# Altium PCB 按键采集CAN.PcbDoc
Units mil, origin at the board's own origin, x right, y up, seen from the top; angles counter-clockwise.
Board outline 1377.95 x 944.88 mil, 2 copper layers (Top Layer, Bottom Layer); 30 components, 38 nets, 161 pads, 48 vias.
Unrouted connection lines stored in the file: 36.
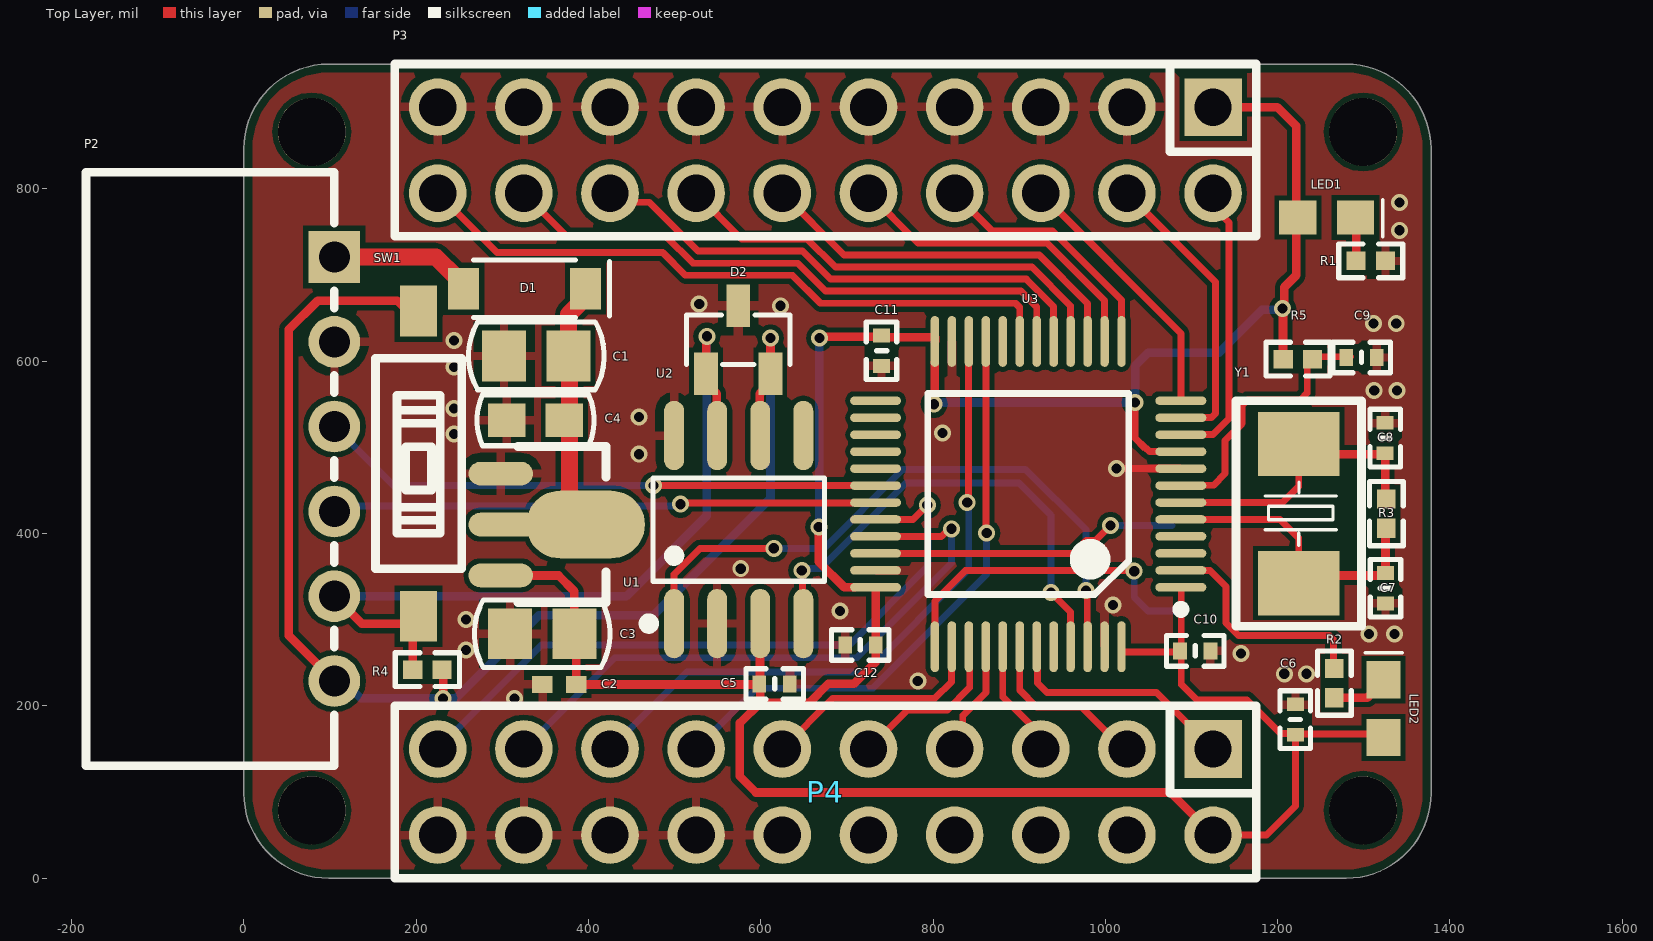
[diagram p0: Top Layer view]
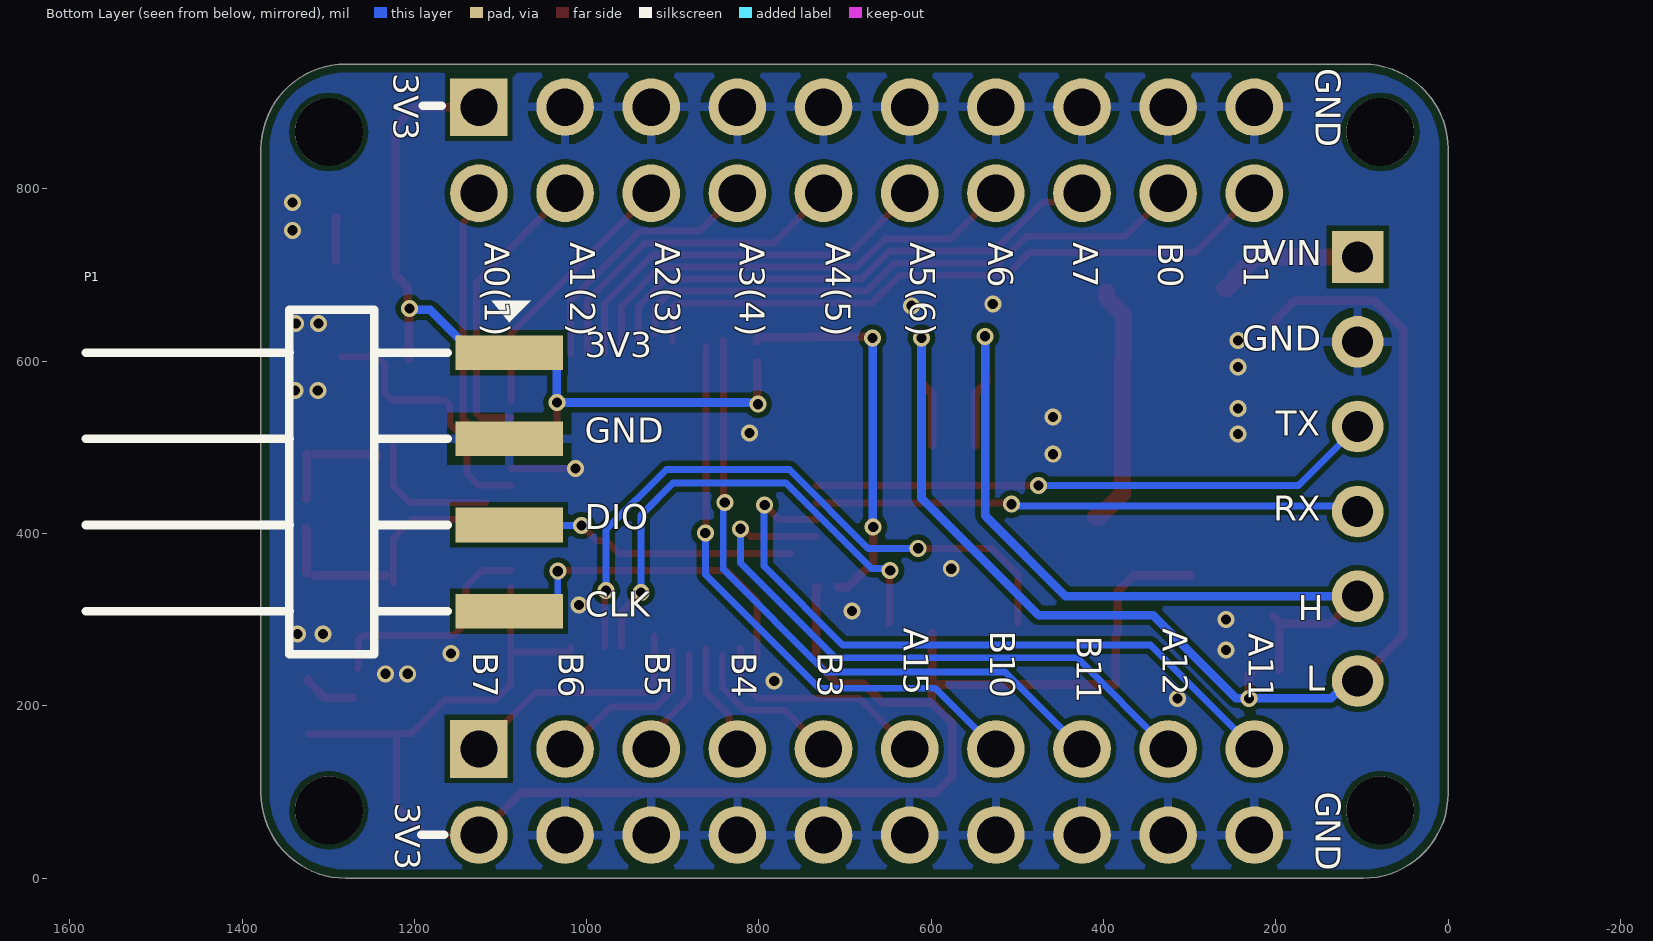
[diagram p1: Bottom Layer view, seen from below]
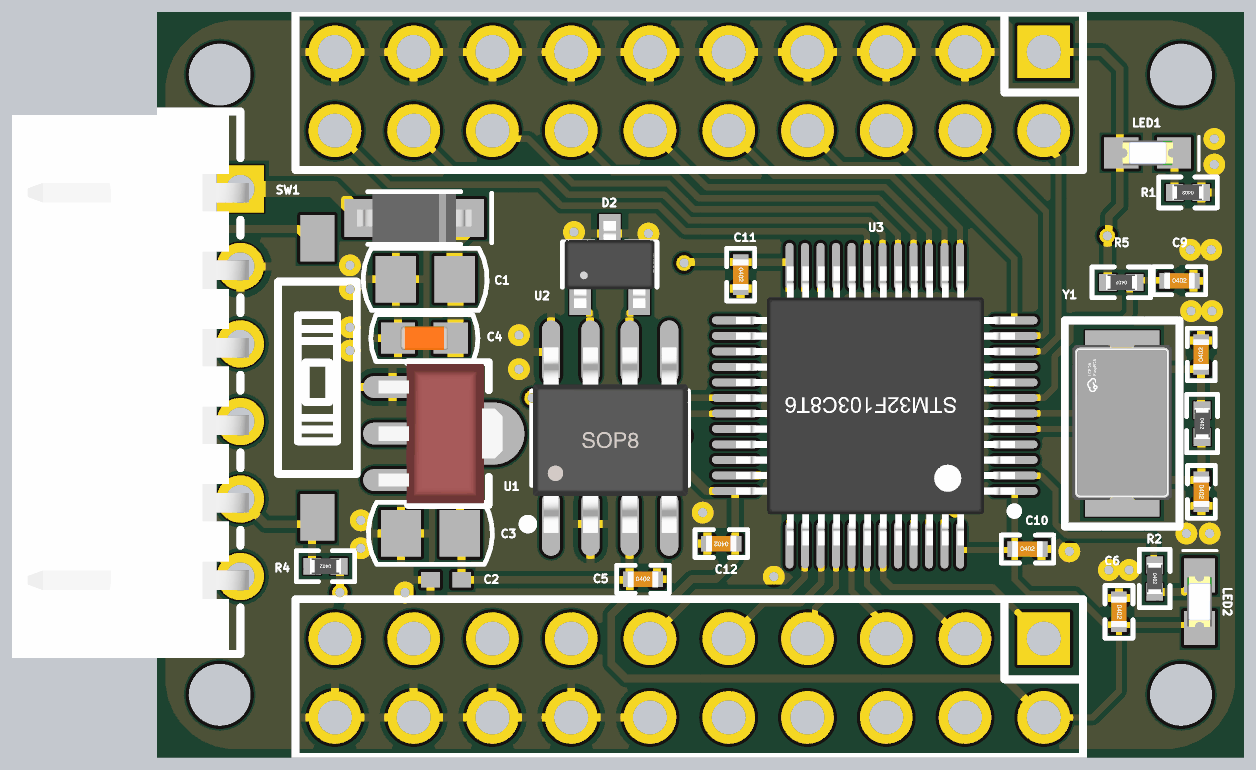
[diagram p2: 3D render of the assembled board from above, using the file's embedded part models]

## Layer stack, top to bottom
Top Solder: solder mask 0.4, Solder Resist, Dk 3.5
Top Layer: signal copper 1.4
Dielectric 1: dielectric 12.6, FR-4, Dk 4.8
Bottom Layer: signal copper 1.4
Bottom Solder: solder mask 0.4, Solder Resist, Dk 3.5

## Board outline
0,98.43 ccw(c98.43,98.43) 98.43,0 1279.53,0 ccw(c1279.53,98.43) 1377.95,98.43 1377.95,846.46 ccw(c1279.53,846.46) 1279.53,944.88 98.43,944.88 ccw(c98.43,846.46) 0,846.46

## Design rules (kind name [scope] priority, off if disabled: settings)
BoardOutlineClearance [All] p1: gap=10 ignorepadtopadclearanceinfootprint=FALSE except(0: Arc-SplitContinuation Track-SplitContinuation SMDPad-SplitContinuation THPad-SplitContinuation Via-SplitContinuation Fill-SplitContinuation Poly-SplitContinuation Region-SplitContinuation Text-SplitContinuation)
Clearance [All] p1: gap=6 ignorepadtopadclearanceinfootprint=FALSE
PolygonConnect [All] p1: thpad.connectstyle=Relief thpad.reliefconductorwidth=10 thpad.reliefentries=4 thpad.polygonreliefangle="90 Angle" thpad.airgapwidth=10 smdpad.connectstyle=Relief smdpad.reliefconductorwidth=10 smdpad.reliefentries=4 smdpad.polygonreliefangle="90 Angle" smdpad.airgapwidth=10 via.connectstyle=Direct via.reliefconductorwidth=20 via.reliefentries=4 via.polygonreliefangle="90 Angle" via.airgapwidth=10
RoutingVias [All] p1: holewidth=11.81 width=11.81 viastyle="Through Hole" minholewidth=11.81 minwidth=19.68 maxholewidth=11.81 maxwidth=19.68
SolderMaskExpansion [All] p1: expansion=4 istentingtop=FALSE
Width [All] p1: maxlimit=20 minlimit=8 preferedwidth=10
30 further rules are at their usual default settings.

## Components (designator, comment, footprint, x,y, rotation, side; value= is the part's Value field where it differs from the comment)
C1 "10uF/50V/0805" CAP-0805 339.57,606.3 r180 top
C2 "100nF/50V/0402" 0402 366.1,224.84 r180 top
C3 "10uF/50V/0805" CAP-0805 346.22,283.7 r0 top
C4 "100nF/50V/0603" CAP-0603 338.58,531.5 r180 top
C5 "100nF/16V/0402" cap-0402 616.14,225.39 r0 top
C6 "100nF/16V/0402" cap-0402 1220.47,184.06 r270 top
C7 "22pF/16V/0402" cap-0402 1325.1,336.49 r270 top
C8 "22pF/16V/0402" cap-0402 1324.8,510.83 r90 top
C9 "10uF/16V/0402" cap-0402 1297.34,604.43 r0 top
C10 "100nF/16V/0402" cap-0402 1104.33,263.78 r0 top
C11 "100nF/16V/0402" cap-0402 740.16,612.2 r270 top
C12 "100nF/16V/0402" cap-0402 715.55,270.67 r180 top
D1 "1N4148" SOD-123 325.79,684.06 r0 top value=12V
D2 "SM712-02HTG_C3008057" SOT-23-3_L2.9-W1.3-P1.90-LS2.4-BR 573.82,625 r270 top
LED1 "red" LED_0603 1256.89,766.73 r0 top
LED2 "green" LED_0603 1322.83,196.85 r90 top
P1 "Header 4" HDR-SMD_4P-P2.54-H-M-W13.3-N 1089.84,460 r270 bottom
P2 "Header 6" CONN-TH_6P-P2.50_HC-XH-6AW-G 105,475 r270 top
P3 "Header_10x2" HDR-TH_20P-P2.54-V-M-R2-C10-S2.54 675,845 r180 top
P4 "Header_10x2" HDR-TH_20P-P2.54-V-M-R2-C10-S2.54 675,100 r180 top
R1 "1K/1%/0402" r0402 1308.07,716.54 r180 top
R2 "1K/1%/0402" r0402 1265.75,226.38 r270 top
R3 "1M/1%/0402" r0402 1326.03,423.11 r270 top
R4 "120R/1%/0402" r0402 212.99,242.02 r180 top
R5 "10K/1%/0402" r0402 1223.43,602.36 r180 top
SW1 "DSIC01LS-P_C600988" SW-SMD_2P-L3.5-W6.1-P2.54-LS9.8 202.76,481.26 r270 top
U1 "7333-1" SOT89 347.44,410.43 r180 top
U2 "SN65HVD230DR" SOIC-8_L4.9-W3.9-P1.27-LS6.0-BL 574.41,404.63 r0 top
U3 "STM32F103C8T6" LQFP48_STM32F103C 910.43,445.87 r180 top
Y1 "TAXM8M2QLFCDT1T" CRYSTAL-SMD_L5.0-W3.2 1224.41,423.23 r90 top value=8M

## Footprints (in the part's own frame and the unit in brackets; to place one, negate y for a bottom-side part, rotate by r counter-clockwise, add the part's x,y. Pads: shape width x height; smd on the part's side, far side on the other; paste and mask are expansions set on the pad)
0402 [mm] "Chip Capacitor, Body 1.0x0.5mm, IPC High Density"
  rect 0.6x0.5 smd: 1(-0.5,0) 2(0.5,0)
  body extent -0.55,-0.3 0.55,0.3, height 1.3
cap-0402 [mm] "贴片MLCC电容"
  rect 0.4x0.5 smd: 1(-0.45,0) 2(0.45,0)
  silkscreen extent -0.85,-0.45 0.85,0.45, body extent -0.5,-0.26 0.5,0.26, height 0.54
CAP-0603 [mm] "贴片电容"
  rect 1.1x1 smd: 1(-0.85,0) 2(0.85,0)
  silkscreen extent -1.73,-0.75 1.73,0.75, body extent -0.76,-0.38 0.76,0.38, height 0.78
CAP-0805 [mm] "0805封装贴片电容"
  rect 1.3x1.5 smd: 1(-0.95,0) 2(0.95,0)
  silkscreen extent -2,-1 2,1, body extent -1.27,-0.64 1.27,0.64, height 0.9
CONN-TH_6P-P2.50_HC-XH-6AW-G [mil]
  rect 60x60 hole 36 paste+0 mask+2: 1(-246,0)
  round 60 hole 36 paste+0 mask+2: 2(-147.6,0) 3(-49.2,0) 4(49.3,0) 5(147.7,0) 6(246.1,0)
  silkscreen extent -344,-288 345,0, body extent -340,-290 350,11, height 236
CRYSTAL-SMD_L5.0-W3.2 [mm]
  rect 1.9x2.4 smd mask+0.051: 1(-2.05,0) 2(2.05,0)
  silkscreen extent -3.32,-1.85 3.33,1.85, body extent -2.47,-1.6 2.53,1.6, height 1.41
HDR-SMD_4P-P2.54-H-M-W13.3-N [mil]
  rect 40.2x124.4 smd paste+0 mask+2: 1(-150,0) 2(-50,0) 3(50,0) 4(150,0)
  silkscreen extent -210,-491 200,25
HDR-TH_20P-P2.54-V-M-R2-C10-S2.54 [mil]
  rect 66.9x66.9 hole 43.3: 1(-450,-50)
  round 66.9 hole 43.3: 2(-350,-50) 3(-250,-50) 4(-150,-50) 5(-50,-50) 6(50,-50) 7(150,-50) 8(250,-50) 9(350,-50) 10(450,-50) 11(450,50) 12(350,50) 13(250,50) 14(150,50) 15(50,50) 16(-50,50) 17(-150,50) 18(-250,50) 19(-350,50) 20(-450,50)
  silkscreen extent -500,-100 500,100
LED_0603 [mm] "带丝印层"
  rect 1.1x1 smd: 1(-0.85,0) 2(0.85,0)
  silkscreen extent 1.65,-0.56 1.65,0.53, body extent -0.81,-0.4 0.81,0.4, height 0.6
LQFP48_STM32F103C [mm]
  oval 1.5x0.25 smd: 1(-4.5,2.75) 2(-4.5,2.25) 3(-4.5,1.75) 4(-4.5,1.25) 5(-4.5,0.75) 6(-4.5,0.25) 7(-4.5,-0.25) 8(-4.5,-0.75) 9(-4.5,-1.25) 10(-4.5,-1.75) 11(-4.5,-2.25) 12(-4.5,-2.75) 25(4.5,-2.75) 26(4.5,-2.25) 27(4.5,-1.75) 28(4.5,-1.25) 29(4.5,-0.75) 30(4.5,-0.25) 31(4.5,0.25) 32(4.5,0.75) 33(4.5,1.25) 34(4.5,1.75) 35(4.5,2.25) 36(4.5,2.75)
  oval 0.25x1.5 smd: 13(-2.75,-4.5) 14(-2.25,-4.5) 15(-1.75,-4.5) 16(-1.25,-4.5) 17(-0.75,-4.5) 18(-0.25,-4.5) 19(0.25,-4.5) 20(0.75,-4.5) 21(1.25,-4.5) 22(1.75,-4.5) 23(2.25,-4.5) 24(2.75,-4.5) 37(2.75,4.5) 38(2.25,4.5) 39(1.75,4.5) 40(1.25,4.5) 41(0.75,4.5) 42(0.25,4.5) 43(-0.25,4.5) 44(-0.75,4.5) 45(-1.25,4.5) 46(-1.75,4.5) 47(-2.25,4.5) 48(-2.75,4.5)
  silkscreen extent -4.63,-2.96 2.96,3.52, body extent -4.52,-4.49 4.48,4.51, height 1.6
r0402 [mm]
  rect 0.566x0.54 smd mask+0.051: 1(-0.433,0) 2(0.433,0)
  silkscreen extent -0.94,-0.5 0.94,0.5, body extent -0.5,-0.25 0.5,0.25, height 0.3
SOD-123 [mm]
  rect 0.91x1.22 smd: 1(-1.8,0) 2(1.8,0)
  silkscreen extent -1.5,-0.85 2.5,0.85, body extent -1.85,-0.77 1.85,0.78, height 1.18
SOIC-8_L4.9-W3.9-P1.27-LS6.0-BL [mm]
  oval 0.588x2.045 smd: 1(-1.905,-2.772) 2(-0.635,-2.772) 3(0.635,-2.772) 4(1.905,-2.772) 5(1.905,2.772) 6(0.635,2.772) 7(-0.635,2.772) 8(-1.905,2.772)
  silkscreen extent -2.8,-2.92 2.53,1.52, body extent -2.49,-3.07 2.51,2.94, height 1.9
SOT89 [mm] "SOT89封装"
  oval 1.9x0.7 smd: 1(1.25,-1.5) 3(1.25,1.5)
  oval 3.5x2 smd: 2(-1.25,0)
  oval 2.1x0.7 smd: 2(1.151,0)
  silkscreen extent -1.85,-2.3 0.75,2.3, body extent -2.3,-2.25 1.7,2.25, height 1.5
SOT-23-3_L2.9-W1.3-P1.90-LS2.4-BR [mm]
  rect 1.25x0.7 smd mask+0.051: 1(1,-0.95) 2(1,0.95) 3(-1,0)
  silkscreen extent -0.73,-1.53 0.73,1.53, body extent -1.4,-1.45 1.4,1.45, height 1.4
SW-SMD_2P-L3.5-W6.1-P2.54-LS9.8 [mil]
  rect 59.1x43.3 smd: 1(-177.2,0) 2(177.2,0)
  silkscreen extent -122,-50 122,50

## Part data
C1 C2 C3 C4 C5 C6 C7 C8 C9 C10 C11 C12: library part Cap, "无极性电容", LatestRevisionDate=17-Jul-2002, LatestRevisionNote="Re-released for DXP Platform.", PackageReference=RAD-0.3, Published=8-Jun-2000, Publisher="Altium Limited"
D1: library part Diode-Z, Code_JEDEC=DO-214-AA, LatestRevisionDate=17-Jul-2002, LatestRevisionNote="Re-released for DXP Platform.", PackageReference=SMB, Published=8-Jun-2000, Publisher="Altium Limited"
LED1 LED2: library part LED, "发光二极管", LatestRevisionDate=08-Jul-2005, LatestRevisionNote="Mech Layer 1 removed.", PackageReference=LED-0, Published=8-Jun-2000, Publisher="Altium Limited"
P1 P3 P4: "接插件"
  P1: LatestRevisionDate=17-Jul-2002, LatestRevisionNote="Re-released for DXP Platform.", Publisher="Altium Limited"
P2: "Header, 6-Pin", LatestRevisionDate=17-Jul-2002, LatestRevisionNote="Re-released for DXP Platform.", Publisher="Altium Limited"
R1 R2 R3 R4 R5: library part Res, "贴片电阻", LatestRevisionDate=17-Jul-2002, LatestRevisionNote="Re-released for DXP Platform.", PackageReference=AXIAL-0.4, Published=8-Jun-2000, Publisher="Altium Limited"
Y1: library part Passive_Crystal_2Pin, "两脚无源晶振", LatestRevisionDate=17-Jul-2002, LatestRevisionNote="Re-released for DXP Platform.", PackageReference=R38, Published=8-Jun-2000, Publisher="Altium Limited"
D2: Symbol=SM712-02HTG_C3008057
SW1: Symbol=DSIC01LS-P_C600988
U1: Symbol=7333-1
U2: Symbol=SN65HVD230DR
U3: Symbol=STM32F103C8T6

## Free pads (board coordinates)
  round 78.74 hole 78.74 unplated: 0(78.74,78.74) 0(78.74,866.14) 0(1299.21,78.74) 0(1299.21,866.14)

## Via types
v1: diameter 19.68, hole 11.81, Top Layer to Bottom Layer, 48 vias

## Nets (pads, with @x,y where several pads share a name; then routed paths per layer and width w, separated by ;. In a path a pad name is that pad's centre, name@x,y a point inside that pad or via, vN(x,y) a via of type N, cw(c..) or ccw(c..) an arc to the next point about the centre after c; other vN are vias at no path point)
3.3V: C2.1 C3.2 C5.1 C6.2 C10.1 C11.1 C12.1 LED1.1 LED2.1 P1.1 P3.1 P4.20 R5.2 U1.3 U2.3 U3.1 U3.9 U3.24 U3.36 U3.48 | length 3563.9
  Top Layer w8: U3.48 1018.7,263.51 1019.55,262.66 C10.1@1088.1,262.66 ; v1(1034.45,552.17) 1034.45,510.83 1046.26,499.02 1047.18,499.02 1051.12,495.08 U3.9 ; U3.1 1088.1,337.09 C10.1@1088.1,262.66 ; P4.20 1186.81,50 1220.47,83.66 C6.2 ; LED2.1@1322.83,167.32 1221.45,167.32 C6.2 ; C10.1@1088.1,262.66 1088.1,224.89 1106.3,206.69 1164.37,206.69 1203.31,167.75 1219.06,167.75 C6.2
  Top Layer w10: U1.3 365.15,351.38 383.62,332.91 C3.2 385.79,281.53 C2.1 594.92,224.84 599.11,229.04 599.11,284.26 U2.3@598.82,284.55 ; C5.1@599.41,222.44 599.41,203.74 ; v1(667.32,407.48) 667.32,367.13 696.77,337.68 U3.36@708.74,337.68 ; v1(668.31,626.97) 669.78,628.44 739.67,628.44 740.16,627.95 802.09,627.95 802.17,627.87 U3.24 ; U3.36@731.38,337.6 U3.36 733.27,250.71 708.44,225.89 678.64,225.89 656.49,203.74 599.41,203.74 ; v1(801.18,550.2) 802.09,551.1 U3.24@802.09,598.5 ; P4.20 1075.59,99.41 594.49,99.41 575.79,118.11 575.79,180.12 599.41,203.74 ; P3.1 1199.49,895 1221.46,873.03 1221.46,699.8 1207.56,685.91 1207.56,663.27 v1(1205.71,661.42) 1206.05,661.08 1206.05,602.7 R5.2 v1@1206.39,661.42
  Bottom Layer w10: v1(667.32,407.48) 667.82,407.97 667.82,626.48 v1(668.31,626.97) ; v1(801.18,550.2) 803.03,552.05 811.56,552.05 811.68,552.17 v1(1034.45,552.17) 1034.45,594.9 1049.55,610 P1.1 1131.94,610 1181.51,659.56 v1@1203.86,659.56
CANH: D2.1 P2.5 R4.2 SW1.2 U2.7 | length 976.7
  Top Layer w10: P2.5 137.06,295.24 193.64,295.24 195.95,292.93 R4.2 ; SW1.2@195.95,297.26 SW1.2 ; v1(537.4,628.94) 536.91,628.45 536.91,586.12 D2.1 536.42,574.8 548.82,562.4 U2.7@548.82,502.85
  Bottom Layer w10: P2.5 444.03,327.3 537.4,420.67 v1(537.4,628.94)
CANL: D2.2 P2.6 R4.1 SW1.1 U2.6 | length 1573.9
  Top Layer w10: P2.6 52.17,281.73 52.17,636.81 85.63,670.28 178.21,670.28 201.77,646.71 SW1.1@201.77,638.81 ; R4.1@224.47,242.07 225.62,242.07 231.3,236.39 v1(231.3,208.66) ; U2.6@598.82,502.85 598.82,562.4 611.22,574.8 D2.2 v1(611.22,626.97)
  Bottom Layer w10: P2.6 115.62,228.9 135.86,208.66 v1(231.3,208.66) 231.48,208.85 246.25,208.85 342.52,305.12 475.39,305.12 611.22,440.94 v1(611.22,626.97)
GND: C1.2 C2.2 C3.1 C4.2 C5.2 C6.1 C7.2 C8.2 C9.2 C10.2 C11.2 C12.2 D2.3 P1.2 P2.2 P3.2 P3.3 P3.4 P3.5 P3.6 P3.7 P3.8 P3.9 P3.10 P4.11 P4.12 P4.13 P4.14 P4.15 P4.16 P4.17 P4.18 P4.19 R1.1 U1.1 U2.2 U2.8 U3.8 U3.23 U3.35 U3.47 | length 74.8
  Top Layer w8: v1(1012.8,475.39) U3.8
  other v1: 313.98,208.66 782.24,228.72 1207.68,237.2 1233.27,237.2 1157.48,260.83 257.87,264.76 1306.1,283.46 1335.63,283.46 257.87,300.2 691.93,310.04 1008.86,316.93 576.77,359.25 458.66,492.13 244.09,515.75 811.02,516.73 458.66,535.43 244.09,545.28 1312.01,565.94 1338.58,565.94 244.09,593.5 244.09,624.02 1311.02,643.7 1337.6,643.7 623.03,664.37 528.54,666.34 1341.54,751.97 1341.54,784.45
NetC7_1: C7.1 R3.2 U3.5 Y1.1 | length 333.2
  Top Layer w8: U3.5 1202.76,416.34 1224.41,394.68 Y1.1
  Top Layer w10: Y1.1@1233.27,351.26 C7.1@1316.24,351.26 ; C7.1 1325.1,405.14 R3.2
NetC8_1: C8.1 R3.1 U3.6 Y1.2 | length 294.7
  Top Layer w8: U3.6@1117.13,436.02 1205.71,436.02 1224.41,454.72 Y1.2
  Top Layer w10: Y1.2@1243.17,488.99 Y1.2@1245.94,486.22 ; Y1.2@1243.17,492.01 C8.1@1316.24,492.01 ; C8.1 1324.8,441.37 R3.1
NetC9_1: C9.1 R5.1 U3.7 | length 314.2
  Top Layer w8: U3.7 1087.95,456.06 1125.35,456.06 1138.78,469.49 1138.78,507.87 1158.91,528 1158.91,549.03 1164.99,555.12 1226.38,555.12 1234.25,562.99 1234.25,596.15 R5.1 ; R5.1@1238.5,605.21 C9.1@1284.82,605.21
NetD1_1: D1.1 P2.1 | length 171.1
  Top Layer w20: P2.1 222.9,721 247.01,696.89 247.01,694.13 256.59,684.55 D1.1@259.35,684.55
NetLED1_2: LED1.2 R1.2 | length 50.5
  Top Layer w10: LED1.2 1291.03,766.06 R1.2
NetLED2_2: LED2.2 R2.2 | length 61.3
  Top Layer w10: R2.2@1271.38,209.44 1303.93,209.44 1322.83,228.35 LED2.2
NetR2_1: R2.1 U3.2 | length 269.1
  Top Layer w8: U3.2 1087.95,356.93 1121.42,356.93 1139.94,338.41 1139.94,296.08 1154.53,281.5 1260.08,281.5 1264.76,276.81 1264.76,244.4 R2.1
PA0: P3.20 U3.10 | length 333.1
  Top Layer w8: U3.10 1125,514.76 1143.7,533.46 1143.7,760.86 1125,779.56 P3.20
PA1: P3.19 U3.11 | length 340.6
  Top Layer w8: P3.19 1127.95,692.05 1127.95,539.49 1123.27,534.8 1087.95,534.8 U3.11
PA2: P3.18 U3.12 | length 308.2
  Top Layer w8: P3.18 1087.6,632.4 U3.12
PA3: P3.17 U3.13 | length 307.7
  Top Layer w8: P3.17 868.68,751.32 938.64,751.32 1018.7,671.26 U3.13@1018.7,608.49
PA4: P3.16 U3.14 | length 386.9
  Top Layer w8: P3.16 782.68,737.32 932.09,737.32 999.02,670.39 U3.14@999.02,609.15
PA5: P3.15 U3.15 | length 464.5
  Top Layer w8: P3.15 696.68,723.32 923.23,723.32 979.33,667.22 U3.15@979.33,610
PA6: P3.14 U3.16 | length 541.7
  Top Layer w8: P3.14 577.87,742.13 653.89,742.13 686.69,709.32 914.69,709.32 959.65,664.37 U3.16@959.65,611.4
PA7: P3.13 U3.17 | length 607.1
  Top Layer w8: P3.13@425.91,790 431.33,784.59 470.45,784.59 527.23,727.8 648.41,727.8 680.89,695.32 908.46,695.32 908.46,694.88 939.96,663.39 U3.17
PA11: P4.10 U3.32 | length 795.4
  Top Layer w8: U3.32 776.57,416.34 v1(793.31,433.07)
  Bottom Layer w8: P4.10 345.67,270.67 702.76,270.67 794.29,362.2 794.29,432.09 v1(793.31,433.07)
PA12: P4.9 U3.33 | length 717.6
  Top Layer w8: U3.33 809.52,396.65 818.37,405.51 v1(821.54,405.51)
  Bottom Layer w8: P4.9 430.91,255.91 711.61,255.91 821.54,365.83 v1(821.54,405.51)
PA15: P4.6 U3.38 | length 268.1
  Top Layer w8: P4.6 683.88,208.88 802.45,208.88 821.5,227.93 821.5,266.28 U3.38@822.2,266.99
PB0: P3.12 U3.18 | length 679.1
  Top Layer w8: P3.12@325,790 330,790 374.92,745.08 490.16,745.08 521.43,713.8 642.61,713.8 675.09,681.32 902.22,681.32 920.28,663.27 U3.18@920.28,631.96
PB1: P3.11 U3.19 | length 768
  Top Layer w8: P3.11@225,790 230,790 293.62,726.38 486.22,726.38 512.8,699.8 636.81,699.8 669.29,667.32 895.9,667.32 900.59,662.64 U3.19
PB3: P4.5 U3.39 | length 184.4
  Top Layer w8: P4.5 769.88,194.88 815.94,194.88 842.52,221.46 U3.39@842.52,258.73
PB4: P4.4 U3.40 | length 131.5
  Top Layer w8: P4.4 834.47,159.47 834.47,188.8 861.22,215.55 U3.40@861.22,266.48
PB5: P4.3 U3.41 | length 128
  Top Layer w8: U3.41@880.91,259.71 880.91,210.03 925,165.94 P4.3
PB6: P4.2 U3.42 | length 198.9
  Top Layer w8: U3.42@900.59,264.62 900.59,218.5 920.28,198.82 972.14,198.82 1020.96,150 P4.2
PB7: P4.1 U3.43 | length 290.4
  Top Layer w8: U3.43@921.26,281.42 921.26,226.38 932.09,215.55 1059.45,215.55 P4.1
PB8: U2.4 U3.45 | length 571.3
  Top Layer w8: v1(647.64,357.28) 648.52,356.4 648.52,296.37 U2.4 ; v1(937.01,331.69) 959.65,309.06 U3.45
  Bottom Layer w8: v1(647.64,357.28) 649.8,359.44 669.48,359.44 768.7,458.66 899.61,458.66 937.01,421.26 v1(937.01,331.69)
PB9: U2.1 U3.46 | length 751.2
  Top Layer w8: U2.1 499.41,352.76 529.53,382.87 v1(615.16,382.87) ; v1(977.36,333.66) 978.98,332.05 978.98,269.05 U3.46
  Bottom Layer w8: v1(615.16,382.87) 673.11,382.87 764.65,474.41 907.48,474.41 977.36,404.53 v1(977.36,333.66)
PB10: P4.7 U3.21 | length 686.1
  Top Layer w8: U3.21@861.22,617.06 861.57,616.71 861.57,401.22 v1(862.2,400.59)
  Bottom Layer w8: P4.7 595.47,220.47 730.31,220.47 862.2,352.36 v1(862.2,400.59)
PB11: P4.8 U3.22 | length 770.7
  Top Layer w8: v1(839.57,436.02) 841.18,437.64 841.18,624.29 U3.22@841.54,624.64
  Bottom Layer w8: P4.8 514.17,239.17 722.44,239.17 841.38,358.11 841.38,434.21 v1(839.57,436.02)
RX: P2.4 U3.31 | length 632.5
  Top Layer w8: v1(506.89,434.06) 508.51,435.67 732.92,435.67 U3.31
  Bottom Layer w8: P2.4 111.12,431.82 504.65,431.82 v1(506.89,434.06)
SWCLK: P1.4 U3.37 | length 395.6
  Top Layer w8: U3.37@802.17,255.81 802.17,321.85 837.38,357.06 1032.7,357.06 v1(1033.46,356.3)
  Bottom Layer w8: v1(1033.46,356.3) 1033.46,326.1 1049.56,310 P1.4@1080,310
SWDIO: P1.3 U3.34 | length 328.1
  Top Layer w8: U3.34@762.8,376.97 962.6,376.97 977.79,392.16 988.62,392.16 v1(1005.91,409.45)
  Bottom Layer w8: v1(1005.91,409.45) P1.3@1077.48,409.45
TX: P2.3 U3.30 | length 656.6
  Top Layer w8: v1(475.39,455.71) U3.30
  Bottom Layer w8: P2.3 173.49,455.71 v1(475.39,455.71)
VIN: C1.1 C4.1 D1.2 U1.2 | length 281.6
  Top Layer w20: C1.1@376.97,604.33 376.97,654.39 388.68,666.1 388.74,666.1 396.65,674.02 D1.2@396.65,680.12 ; C1.1@377.95,601.38 377.95,531.5 377.95,446.43 405.09,419.3 U1.2@409.44,419.3
pads on no net: U2.5 U3.3 U3.4 U3.20 U3.25 U3.26 U3.27 U3.28 U3.29 U3.44

## Polygon pours and split planes (outlines as drawn)
GND on Bottom Layer "GND_L02_P001" (solid, remove dead copper, pour order 1): 0,98.43 ccw(c98.43,98.43) 98.43,0 1279.53,0 ccw(c1279.53,98.43) 1377.95,98.43 1377.95,846.46 ccw(c1279.53,846.46) 1279.53,944.88 98.43,944.88 ccw(c98.43,846.46) 0,846.46
GND on Top Layer "GND_L01_P000" (solid, remove dead copper, pour order 0): 0,98.43 ccw(c98.43,98.43) 98.43,0 1279.53,0 ccw(c1279.53,98.43) 1377.95,98.43 1377.95,846.46 ccw(c1279.53,846.46) 1279.53,944.88 98.43,944.88 ccw(c98.43,846.46) 0,846.46

## Silkscreen, mask and mechanical layers (free items; w line width, h text height)
Bottom Overlay:
  lines w10: 1165.35,50.2 1191.93,50.2 ; 1168.31,896.65 1189.96,896.65
  text "GND" at 163.82,939.96 h50 r90
  text "3V3" at 1233.7,934.06 h50 r90
  text "B1" at 247.05,738.19 h50 r90
  text "B0" at 346.25,738.19 h50 r90
  text "A7" at 444.76,738.19 h50 r90
  text "A6" at 543.96,738.19 h50 r90
  text "A5(6)" at 634.16,738.19 h50 r90
  text "A4(5)" at 732.11,738.19 h50 r90
  text "A3(4)" at 831.87,738.19 h50 r90
  text "A2(3)" at 929.96,738.19 h50 r90
  text "A1(2)" at 1028.61,738.19 h50 r90
  text "A0(1)" at 1128.37,738.19 h50 r90
  text "VIN" at 215.29,701.77 h50
  text "GND" at 239.17,602.07 h50
  text "3V3" at 1001.97,595.04 h50
  text "TX" at 200.37,503.47 h50
  text "GND" at 1001.97,495.63 h50
  text "RX" at 202.86,404.87 h50
  text "DIO" at 1001.97,395.24 h50
  text "H" at 144.65,338.24 h50 r180
  text "CLK" at 1001.97,293.86 h50
  text "A15" at 641.47,290.91 h50 r90
  text "A12" at 340.95,290.35 h50 r90
  text "B10" at 541.11,287.26 h50 r90
  text "A11" at 241.14,284.49 h50 r90
  text "B11" at 440.75,281.16 h50 r90
  text "B5" at 941.71,262.73 h50 r90
  text "B3" at 741.82,262.5 h50 r90
  text "B4" at 841.49,262.36 h50 r90
  text "B6" at 1042.07,262.5 h50 r90
  text "B7" at 1141.73,262.5 h50 r90
  text "L" at 164.65,207.68 h50
  text "GND" at 163.82,100.39 h50 r90
  text "3V3" at 1231.73,87.6 h50 r90
Mechanical 1:
  the board outline again, w20